# Altium PCB BGA_faser.PcbDoc (part 2 of 3) (continued)
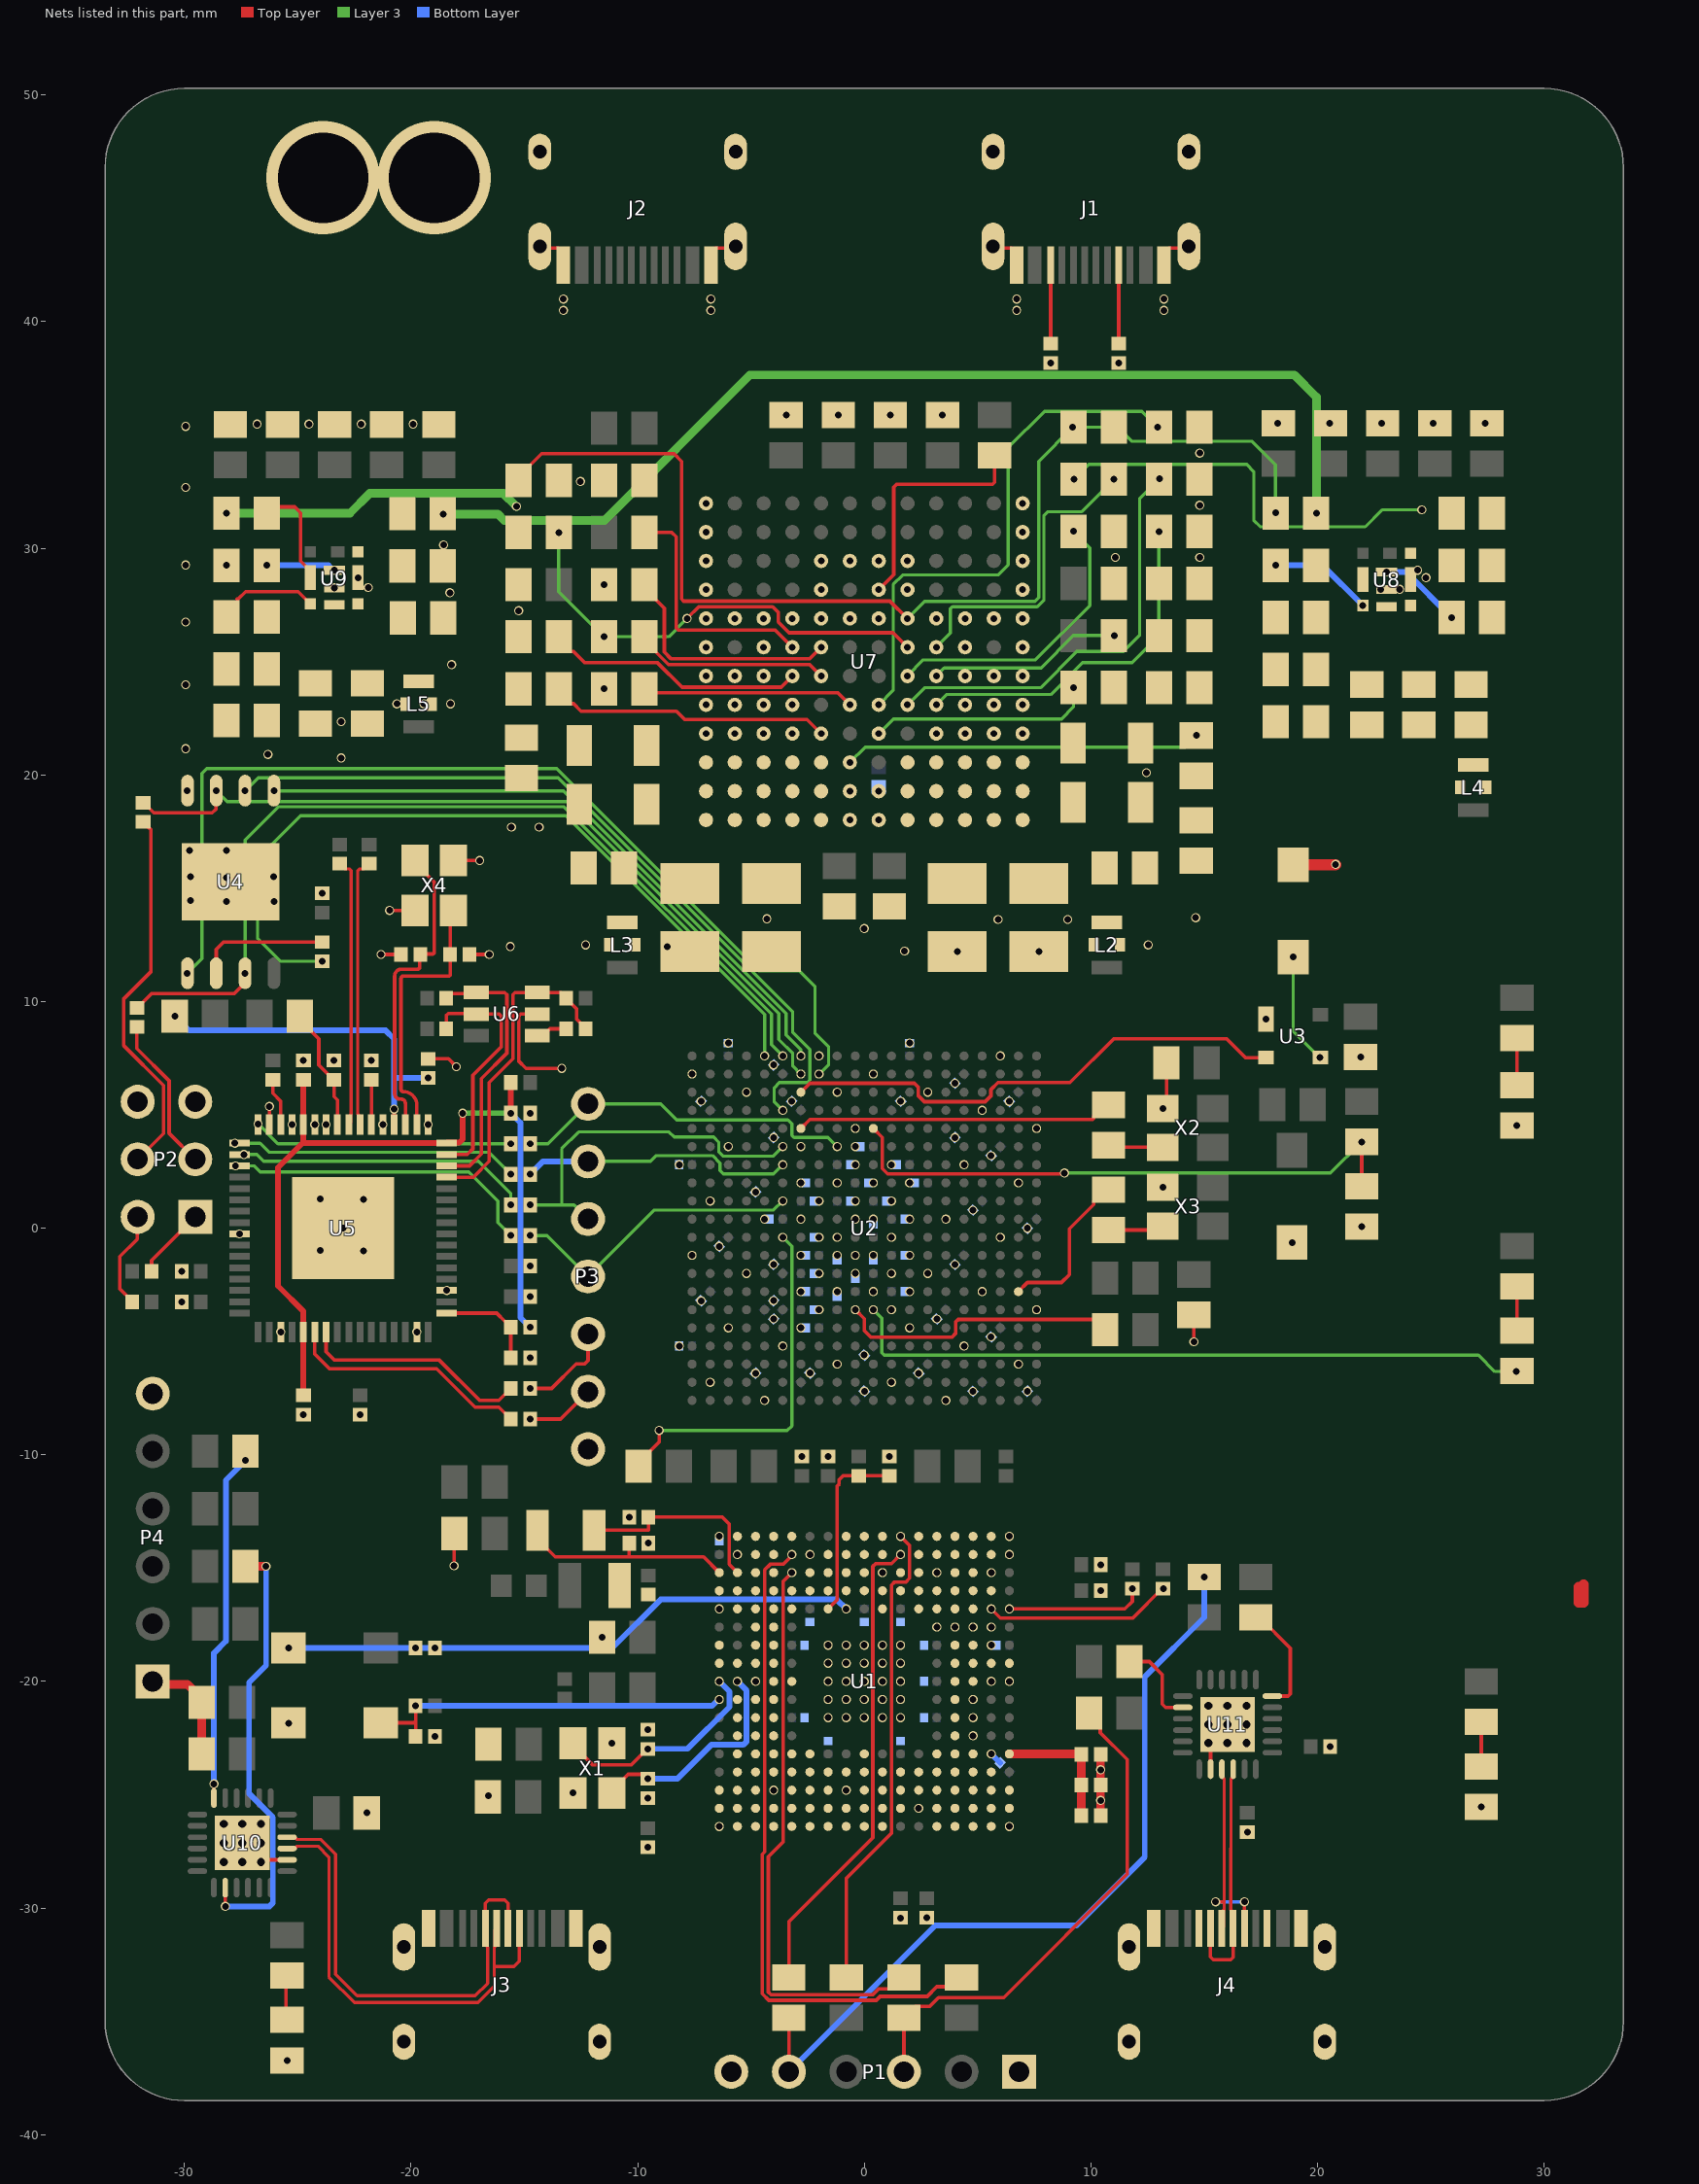
[diagram p6: the nets of this part, all layers, seen from the top]
## Nets (pads, with @x,y where several pads share a name; then routed paths per layer and width w, separated by ;. In a path a pad name is that pad's centre, name@x,y a point inside that pad or via, vN(x,y) a via of type N, cw(c..) or ccw(c..) an arc to the next point about the centre after c; other vN are vias at no path point) (continued)
DIFFN: R73.1 U7.E9 | length 15.7
  Layer 3 w0.142: v1(3.175,23.095) 3.63,23.55 8.225,23.55 9.625,24.95 11.825,24.95 13,26.125 v1(13,30.725)
DIFFO: R71.2 U7.F8 | length 12.9
  Layer 3 w0.142: v1(1.9,24.375) 2.6,25.075 7.55,25.075 9.95,27.475 9.95,30.025 v1(9.225,30.75)
DIFFP: R70.1 U7.E8 | length 18.8
  Layer 3 w0.142: v1(1.905,23.095) 2.66,23.85 7.775,23.85 9.375,25.45 11.425,25.45 12.15,26.175 12.15,32.2 v1(13.025,33.075)
DONE: D1.K U2.R11 | length 30.4
  Layer 3 w0.142: v1(0.4,-3.6) 0.775,-3.975 0.775,-5.5 0.875,-5.6 27.1,-5.6 27.825,-6.325 v1(28.775,-6.325)
EEPROM_CLK: R39.1 U5.62 U6.4 | length 12.1
  Top Layer w0.156: R39.1@-18.45,10.15 -18.25,10.35 -17.175,10.35 U6.4@-17.125,10.4 -15.867,10.4 -15.775,10.308 -15.775,7.725 -16.9,6.6 -16.9,3.275 -17.425,2.75 U5.62@-18.425,2.75
EEPROM_CS: R35.1 U5.63 U6.5 | length 10.7
  Top Layer w0.156: R35.1@-18.45,8.8 -18.45,9.383 -18.358,9.475 -17.15,9.475 U6.5@-17.125,9.45 -16.112,9.45 -16.02,9.358 -16.02,8.005 -17.275,6.75 -17.275,3.5 -17.525,3.25 U5.63@-18.425,3.25
EEPROM_DATA: R44.1 R46.1 U5.61 U6.3 | length 14.2
  Top Layer w0.156: U5.61@-18.425,2.25 -17.25,2.25 -16.55,2.95 -16.55,6.425 -15.5,7.475 -15.5,10.308 -15.408,10.4 U6.3@-14.425,10.4 -13.375,10.4 -13.15,10.175 R44.1@-13.15,10.15 -13.15,10.125 -12.7,9.675 -12.7,9.225 -12.3,8.825 R46.1@-12.3,8.8
EXTVCC: R54.2 U7.J7 | length 10.5
  Top Layer w0.156: v1(0.635,28.175) 1.3,28.84 1.3,32.7 1.425,32.825 5.658,32.825 5.75,32.917 R54.2@5.75,34.11
FB_1V0: R58.2 U7.D7 | length 9.9
  Layer 3 w0.142: v1(0.635,21.825) 1.285,22.475 8.71,22.475 9.231,22.996 v1(9.231,23.862)
FB_1V8: R68.2 U7.D5 | length 12.5
  Top Layer w0.156: R68.2@-13.485,23.8 -13.485,23.645 -12.983,23.143 -12.828,23.143 -12.502,22.817 -8.292,22.817 -7.925,22.45 -2.53,22.45 v1(-1.905,21.825)
FSET: R78.2 U7.C6 | length 15.8
  Layer 3 w0.142: v1(-0.635,20.555) 0.035,21.225 14.135,21.225 v1(14.65,21.74)
FT_1V8: C96.2 C97.2 C98.2 R33.1 R34.1 U5.12 U5.37 U5.64 | length 36.4
  Top Layer w0.254: C98.2@-24.75,-7.375 U5.37@-24.75,-4.575 -24.75,-3.675 -25.875,-2.55 -25.875,2.675 -24.75,3.8 ; C96.2@-24.75,6.55 U5.12@-24.75,4.575 -24.75,3.8 ; v1(-17.725,5.075) -17.725,3.925 -17.877,3.773 -18.402,3.773 U5.64@-18.425,3.75 -24.7,3.75 -24.75,3.8 ; v1(-15.6,5.075) R33.1@-15.6,6.425
  Layer 3 w0.254: v1(-17.725,5.075) v1(-15.6,5.075)
  Bottom Layer w0.254: v1(-15.6,5.075) -15.176,4.651 -15.176,-3.949 v1(-14.75,-4.375)
GND: 22.2 C1.1 C2.1 C3.1 C4.1 C5.1 C6.1 C7.1 C8.1 C9.1 C10.1 C11.1 C12.1 C13.1 C14.1 C15.2 C16.2 C17.1 C18.1 C21.2 C22.2 C23.2 C24.1 C25.1 C26.1 C28.2 C29.2 C30.1 C31.1 C32.1 C33.1 C34.1 C35.1 C36.1 C37.1 C38.1 C39.1 C40.1 C41.1 C42.1 C43.1 C44.1 C45.1 C46.1 C47.1 C48.1 C49.1 C50.1 C51.1 C52.1 C53.1 C54.1 C55.1 C56.1 C57.1 C58.1 C59.1 C60.1 C61.1 C62.1 C63.1 C64.1 C65.1 C66.1 C67.1 C68.1 C69.1 C70.1 C71.1 C72.1 C73.1 C74.1 C75.1 C76.1 C77.1 C78.1 C79.1 C80.1 C81.1 C82.1 C83.1 C84.1 C85.1 C86.1 C87.1 C88.1 C89.1 C90.1 C91.1 C92.1 C93.1 C94.2 C95.2 C96.1 C97.1 C98.1 C99.1 C100.1 C101.1 C102.2 C103.1 C104.1 C105.1 C106.1 C107.1 C108.1 C109.2 C110.2 C111.2 C112.1 C113.1 C114.2 C115.2 C116.1 C117.1 C118.1 C119.1 C120.1 C121.1 C122.1 C123.1 C124.1 C125.1 C126.1 C127.1 C128.1 C129.1 C130.1 C131.1 C132.1 C133.1 C134.1 C135.1 C136.1 C137.1 C139.1 C140.1 D3.K D4.K FB1.2 FB4.2 J1.0 J1.1 J1.12 J2.0 J2.1 J2.12 J3.0 J3.1 J3.12 J4.0 J4.1 J4.12 L2.2 L3.2 L4.2 L5.2 P1.1 P1.6 P2.5 P2.6 P3.1 P4.1 P4.6 R2.1 R6.2 R7.2 R13.1 R17.1 R19.1 R24.1 R43.1 R47.1 R52.1 R55.2 R61.1 R64.1 R66.2 R67.1 R69.1 R70.2 R71.1 R72.2 R73.2 R74.1 R75.1 R76.2 R81.1 R84.2 R87.2 R90.2 S1.1 S3.1 S4.1 U1.A1 U1.A17 U1.B2 U1.B6 U1.C10 U1.C13 U1.C16 U1.G7 U1.G8 U1.G9 U1.G10 U1.G11 U1.G16 U1.H7 U1.H8 U1.H9 U1.H10 U1.H11 U1.J3 U1.J7 U1.J8 U1.J9 U1.J10 U1.J11 U1.J16 U1.J17 U1.K7 U1.K8 U1.K9 U1.K10 U1.K11 U1.K15 U1.L7 U1.L8 U1.L9 U1.L10 U1.L11 U1.L15 U1.M15 U1.N16 U1.R4 U1.R8 U1.T12 U1.U1 U1.U17 U2.A8 U2.A18 U2.B1 U2.B11 U2.C4 U2.C9 U2.C14 U2.D17 U2.E10 U2.E20 U2.F3 U2.F7 U2.F10 U2.G10 U2.G12 U2.G16 U2.H7 U2.H9 U2.H11 U2.H13 U2.H19 U2.J2 U2.J8 U2.J10 U2.J12 U2.K5 U2.K7 U2.K10 U2.K11 U2.K13 U2.K15 U2.L8 U2.L9 U2.L12 U2.L18 U2.M1 U2.M7 U2.M9 U2.M10 U2.M11 U2.M13 U2.N4 U2.N8 U2.N10 U2.N12 U2.N14 U2.P7 U2.P9 U2.P11 U2.P13 U2.P17 U2.R8 U2.R12 U2.R20 U2.T3 U2.T7 U2.T13 U2.U6 U2.U16 U2.V9 U2.V19 U2.W2 U2.W12 U2.Y5 U2.Y15 U3.1 U4.4 U4.9 U5.1 U5.5 U5.10 U5.11 U5.13 U5.15 U5.25 U5.35 U5.47 U5.51 U5.65 U6.2 U7.A6 U7.A7 U7.B6 U7.B7 U7.D1 U7.D2 U7.D3 U7.D4 U7.D9 U7.D10 U7.D11 U7.D12 U7.E1 U7.E2 U7.E3 U7.E4 U7.E10 U7.E11 U7.E12 U7.F1 U7.F2 U7.F3 U7.F10 U7.F11 U7.F12 U7.G1 U7.G3 U7.G10 U7.G12 U7.H1 U7.H2 U7.H3 U7.H4 U7.H5 U7.H6 U7.H7 U7.H9 U7.H10 U7.H11 U7.H12 U7.J1 U7.J5 U7.J8 U7.J12 U7.K1 U7.K5 U7.K6 U7.K7 U7.K8 U7.K12 U7.L1 U7.L12 U7.M1 U7.M12 U8.6 U8.10 U9.6 U9.10 U10.0 U10.2 U11.0 U11.2 X1.2 X1.4 X2.2 X3.2 X4.2 X4.4 | length 36.8
  Top Layer w0.156: U10.0@-26.627,-27.969 -26.532,-27.969 -26.438,-27.875 U10.2@-25.474,-27.875 ; U5.15@-26.25,4.575 v1(-26.25,5.375) ; v1(-21.325,12.075) C101.1@-20.45,12.075 ; v1(-20.95,14.025) X4.4@-19.825,14.025 ; C94.2@-19.25,7.475 -18.35,7.475 v1(-18,7.125) ; X4.2@-18.123,16.225 v1(-16.975,16.225) ; v1(-18.1,-14.9) -18.1,-13.485 R19.1@-18.09,-13.475 ; C100.1@-17.425,12.075 v1(-16.55,12.075) ; U6.2@-14.425,9.45 -15.163,9.45 -15.255,9.358 -15.255,7.38 -14.927,7.052 v1(-13.35,7.052) ; J2.0@-14.32,43.32 -14.242,43.242 -13.497,43.242 -13.275,43.02 J2.12@-13.275,42.5 ; J2.1@-6.775,42.5 -6.775,43.02 -6.553,43.242 -5.758,43.242 J2.0@-5.68,43.32 ; J1.0@5.68,43.32 5.758,43.242 6.503,43.242 6.725,43.02 J1.12@6.725,42.5 ; v1(13.175,5.275) 13.335,5.435 C31.1@13.335,7.3 ; J1.1@13.225,42.5 13.225,43.02 13.447,43.242 14.242,43.242 J1.0@14.32,43.32 ; v1(14.543,-5.018) C88.1@14.543,-3.824 ; U11.0@15.187,-22.72 15.187,-22.816 15.28,-22.909 U11.2@15.28,-23.874 ; v1@20.785,16.035 v1(20.8,16.05)
  Top Layer w0.381: P4.1@-31.4,-20 -31.27,-20.13 -29.88,-20.13 -29.24,-20.77 C137.1@-29.24,-20.925 C135.1@-29.24,-23.2 ; C26.1@10.425,-25.925 C25.1@10.425,-24.575 C24.1@10.425,-23.225
  Top Layer w0.45: 31.525,-15.825 31.525,-16.525 31.75,-16.525 31.75,-15.725
  Top Layer w0.508: S3.1@18.925,16.035 v1@20.785,16.035
  Bottom Layer w0.254: v1(5.6,-23.2) C13.1@5.997,-23.597
  other v1: -25.475,-36.725 1.6,-30.45 2.75,-30.425 -9.55,-27.325 16.9,-26.65 -6.4,-26.4 6.4,-26.4 -21.95,-25.8 2.4,-25.6 27.225,-25.54 10.425,-25.25 -9.55,-25.15 -16.59,-25.05 -12.85,-24.925 -4,-24.8 -0.8,-24.8 10.425,-23.9 20.55,-22.875 -11.148,-22.725 -18.95,-22.425 4.8,-22.4 -9.55,-22.125 -25.4,-21.85 -1.6,-21.6 -0.8,-21.6 0,-21.6 0.8,-21.6 1.6,-21.6 4.8,-21.6 -1.6,-20.8 -0.8,-20.8 0,-20.8 0.8,-20.8 1.6,-20.8 4.8,-20.8 -4.8,-20 -1.6,-20 -0.8,-20 0,-20 0.8,-20 1.6,-20 5.6,-20 6.4,-20 -1.6,-19.2 -0.8,-19.2 0,-19.2 0.8,-19.2 1.6,-19.2 -18.95,-18.525 -1.6,-18.4 -0.8,-18.4 0,-18.4 0.8,-18.4 1.6,-18.4 5.6,-18.4 -11.565,-18.05 10.425,-16 0.8,-15.2 3.2,-15.2 5.6,-15.2 10.425,-14.85 -5.6,-14.4 -2.4,-14.4 -9.525,-13.9 -6.4,-13.6 6.4,-13.6 -10.375,-12.75 -2.75,-10.075 -1.6,-10.075 1.1,-10.075 -24.75,-8.225 -22.25,-8.225 -4.4,-7.6 3.6,-7.6 4.797,-7.203 0.003,-7.197 7.197,-7.197 -6.8,-6.8 1.2,-6.8 -4.797,-6.403 -2.397,-6.397 2.397,-6.403 -1.2,-6 6.8,-6 -14.75,-5.725 -0.003,-5.603 -8.17,-5.2 -3.6,-5.2 4.4,-5.2 5.597,-4.803 -25.75,-4.575 -19.75,-4.575 -6,-4.4 -2.8,-4.4 2,-4.4 -3.997,-4.003 3.197,-4.003 -2,-3.6 1.2,-3.6 7.6,-3.6 -30.125,-3.25 -7.203,-3.203 -4.003,-3.197 -14.75,-3.025 -2.8,-2.8 -1.2,-2.8 0.4,-2.8 2,-2.8 5.2,-2.8 -18.425,-2.75 -5.2,-2 -2,-2 -0.4,-2 1.2,-2 2.8,-2 -30.125,-1.9 -14.75,-1.675 -4.003,-1.597 3.997,-1.603 -7.6,-1.2 -2.8,-1.2 -1.2,-1.2 -0.4,-1.2 0.4,-1.2 2,-1.2 -22.1,-1 -24,-0.975 -6.403,-0.803 18.875,-0.635 -2,-0.4 -1.2,-0.4 1.2,-0.4 6,-0.4 -27.575,-0.25 -23,0 7.197,-0.003 21.95,0.06 -4.4,0.4 -2.8,0.4 -0.4,0.4 0.4,0.4 2,0.4 3.6,0.4 4.797,0.797 -6.8,1.2 -2,1.2 -0.4,1.2 1.2,1.2 -22.1,1.275 -24,1.3 -4.797,1.597 13.175,1.8 -2.8,2 -1.2,2 0.4,2 2,2 6.8,2 -8.17,2.8 -0.4,2.8 1.2,2.8 4.4,2.8 5.597,3.197 -6,3.6 -2.8,3.6 -0.4,3.6 -4,4 4.003,3.997 -0.4,4.4 7.6,4.4 28.8,4.535 -25.25,4.575 -24.25,4.575 -23.75,4.575 -21.25,4.575 -19.25,4.575 -14.75,5.075 5.2,5.2 6.397,5.597 -7.203,5.603 -3.203,5.603 1.603,5.603 -5.2,6 -1.2,6 2.8,6 3.997,6.397 -7.6,6.8 0.4,6.8 -4.003,7.203 -24.75,7.4 -23.4,7.4 -21.75,7.4 21.9,7.56 -2,7.6 6,7.6 -6,8.17 2,8.17 17.725,9.225 4.1,12.2 7.7,12.2 1.775,12.225 -15.625,12.425 -8.7,12.425 -12.3,12.5 12.525,12.5 0,13.225 5.9,13.625 8.975,13.625 -4.3,13.65 14.625,13.7 -28.15,14.425 -26.047,14.424 -29.725,14.45 -23.925,14.775 -28.15,15.475 -29.725,15.5 -26.075,15.5 -29.775,16.675 -28.15,16.675 -15.575,17.7 -14.35,17.7 -0.635,18.015 0.635,18.015 -0.635,19.285 0.635,19.285 -29.875,19.3 12.45,20.1 -23.089,20.752 -26.314,20.904 -29.947,21.158 -6.985,21.825 -5.715,21.825 -4.445,21.825 -3.175,21.825 3.175,21.825 4.445,21.825 5.715,21.825 6.985,21.825 -23.089,22.352 -6.985,23.095 -5.715,23.095 -4.445,23.095 -3.175,23.095 4.445,23.095 5.715,23.095 6.985,23.095 -20.625,23.139 -19.431,23.139 -18.263,23.139 -11.49,23.8 -29.947,23.981 -6.985,24.365 -5.715,24.365 -4.445,24.365 4.445,24.365 5.715,24.365 6.985,24.365 -18.212,24.867 -6.985,25.635 -4.445,25.635 4.445,25.635 6.985,25.635 -29.947,26.746 -6.985,26.905 -5.715,26.905 -4.445,26.905 -3.175,26.905 -1.905,26.905 -0.635,26.905 0.635,26.905 3.175,26.905 4.445,26.905 5.715,26.905 6.985,26.905 -15.25,27.25 -18.288,28.042 -6.985,28.175 -1.905,28.175 1.905,28.175 6.985,28.175 22.784,28.194 23.622,28.194 -23.393,28.257 -21.895,28.27 -11.49,28.4 -22.343,28.702 24.79,28.702 24.413,29.035 -29.947,29.261 -28.14,29.25 -6.985,29.445 -1.905,29.445 -0.635,29.445 0.635,29.445 1.905,29.445 6.985,29.445 11.075,29.6 14.8,29.6 -18.567,30.15 -6.985,30.715 6.985,30.715 14.8,31.9 -6.985,31.985 6.985,31.985 -29.947,32.69 -12.525,32.95 14.8,34.2 -29.947,35.382 -26.797,35.484 -24.511,35.484 -22.2,35.484 -19.914,35.484 18.25,35.525 20.537,35.525 22.825,35.525 25.112,35.525 27.4,35.525 -3.45,35.89 -1.15,35.89 1.15,35.89 3.45,35.89 8.225,38.175 11.225,38.175 -13.275,40.5 -6.775,40.5 6.725,40.5 13.225,40.5 -13.275,41 -6.775,41 6.725,41 13.225,41
  other v2: -27.447,-27.969 -28.268,-27.13 -26.627,-27.13 -27.447,-26.292 16.025,-22.72 15.187,-21.9 16.863,-21.9 16.025,-21.08
  other v4: -23.882,46.35 -18.975,46.35
INIT_B: R21.2 U2.R10 | length 12.6
  Top Layer w0.156: v1(-0.4,-3.6) 0,-4 0,-4.519 0.287,-4.806 3.869,-4.806 4.025,-4.65 4.025,-4.15 4.15,-4.025 10.185,-4.025 R21.2@10.635,-4.475
INTVCC: C116.2 R53.2 R62.2 R77.2 R86.2 U7.H8 | length 64.1
  Top Layer w0.156: R53.2@-15.265,30.7 R53.2@-15.265,30.855 ; C116.2@-15.265,32.845 C116.2@-15.265,33 -15.265,33.155 -14.245,34.175 -8.4,34.175 -8.059,33.834 -8.059,27.762 -7.968,27.67 1.13,27.67 1.895,26.905 v1(1.905,26.905)
  Layer 3 w0.142: v1(1.905,26.905) 2.656,27.656 7.529,27.656 7.694,27.821 7.694,33.844 v1(9.2,35.35) 11.172,35.35 11.797,34.725 17.1,34.725 18.15,33.675 v1(18.15,31.575)
  Layer 3 w0.381: v1(-28.14,31.55) -22.7,31.55 -21.825,32.425 -15.925,32.425 v1(-15.35,31.85)
JTAG_RXD: P3.3 R48.2 | length 4.2
  Top Layer w0.156: v1(-14.75,-7.075) -13.8,-7.075 -12.712,-5.988 -12.338,-5.988 -12.192,-5.842 P3.3@-12.192,-4.674
JTAG_TCK: P3.7 R40.2 U2.F9 | length 15.4
  Layer 3 w0.142: v1(-14.75,3.725) -13.953,3.725 P3.7@-12.192,5.486 -8.986,5.486 -8.275,4.775 -3.375,4.775 -3.2,4.6 -3.2,4.1 -3.1,4 -1.6,4 v1(-1.2,3.6)
JTAG_TDI: P3.6 R38.2 U2.G6 | length 12.2
  Layer 3 w0.142: P3.6@-12.192,2.946 -9.429,2.946 -9.175,3.2 -6.7,3.2 -6.375,2.875 -6.375,2.55 -6.225,2.4 -4,2.4 v1(-3.6,2.8)
  Bottom Layer w0.254: v1(-14.75,2.375) -14.179,2.946 P3.6@-12.192,2.946
JTAG_TDO: P3.5 R37.2 U2.F6 | length 16.2
  Layer 3 w0.142: v1(-14.75,1.025) -13.35,1.025 ; P3.5@-12.192,0.406 -12.811,1.025 -13.35,1.025 ; v1(-3.6,3.6) -4.025,3.175 -6.225,3.175 -6.425,3.375 -6.425,3.8 -6.65,4.025 -8.394,4.025 -8.619,4.25 -12.6,4.25 -13.35,3.5 -13.35,1.025
JTAG_TMS: P3.4 R36.2 U2.J6 | length 13.3
  Layer 3 w0.142: v1(-14.75,-0.325) -14.001,-0.325 P3.4@-12.192,-2.134 -9.258,0.8 -4,0.8 v1(-3.6,1.2)
JTAG_TXD: P3.2 R49.2 | length 3.3
  Top Layer w0.156: R49.2@-14.611,-8.564 v1(-14.75,-8.425) -13.403,-8.425 P3.2@-12.192,-7.214
LX: C19.2 L1.1 U1.E1
  other v1: -6.4,-16.8
MODE: R66.1 U7.F4 | length 11.5
  Top Layer w0.156: R66.1@-13.485,26.1 -13.485,25.945 -12.983,25.443 -12.828,25.443 -12.335,24.95 -9.125,24.95 -8.045,23.87 -3.67,23.87 v1(-3.175,24.365)
NetC24_2: C24.2 C25.2 C26.2 U1.N17 | length 5.9
  Top Layer w0.156: C24.2@9.55,-23.2 C24.2@9.575,-23.225
  Top Layer w0.381: U1.N17@6.4,-23.2 C24.2@9.55,-23.2 ; C26.2@9.575,-25.925 C25.2@9.575,-24.575 C24.2@9.575,-23.225
NetC94_1: C94.1 FB6.1 U5.4 | length 15.3
  Top Layer w0.156: U5.4@-20.75,4.575 v1(-20.75,5.25)
  Bottom Layer w0.254: v1(-30.43,9.35) -29.805,8.725 -21.125,8.725 -20.75,8.35 v1(-20.75,5.25) ; -20.65,6.625 v1(-19.25,6.625)
NetC95_1: C95.1 FB7.1 U5.9 | length 5.5
  Top Layer w0.156: FB7.1@-24.91,9.35 -24.91,9.195 -24.075,8.36 -24.075,7.2 -23.425,6.55 C95.1@-23.4,6.55 -23.4,5.8 -23.25,5.65 U5.9@-23.25,4.575
NetC99_2: C99.2 R34.2 U5.49 | length 4.4
  Top Layer w0.156: U5.49@-18.425,-3.75 -16.225,-3.75 -15.847,-4.128 -15.822,-4.128 -15.6,-4.35 R34.2@-15.6,-4.375 C99.2@-15.6,-5.725
NetC130_2: C130.2 C131.2 L5.1 R88.2 U9.4 U9.5
NetD1_A: D1.A R27.1 | length 2
  Top Layer w0.156: D1.A@28.8,-4.52 R27.1@28.8,-2.565
NetD2_K: D2.K R47.2 | length 2.1
  Top Layer w0.156: R47.2@28.8,6.315 D2.K@28.8,8.385
NetD3_A: D3.A R102.1 | length 2
  Top Layer w0.156: D3.A@-25.525,-34.935 R102.1@-25.525,-32.975
NetD4_A: D4.A R103.1 | length 2
  Top Layer w0.156: D4.A@27.225,-23.76 R103.1@27.225,-21.79
NetP2_1: P2.1 R29.2 | length 3.2
  Top Layer w0.156: R29.2@-31.45,-1.9 -31.45,-1.425 P2.1@-29.525,0.5
NetP2_2: P2.2 R30.1 | length 4.3
  Top Layer w0.156: R30.1@-32.3,-3.25 -32.3,-3.225 -32.85,-2.675 -32.85,-1.249 -32.085,-0.485 -32.085,0.48 P2.2@-32.065,0.5
NetP2_3: P2.3 R31.2 | length 6.9
  Top Layer w0.156: R31.2@-32.1,8.875 -32.1,7.925 -30.675,6.5 -30.675,4.19 P2.3@-29.525,3.04
NetP2_4: P2.4 R32.1 | length 16.7
  Top Layer w0.156: P2.4@-32.065,3.04 -30.925,4.18 -30.925,6.3 -32.675,8.05 -32.675,10.125 -31.475,11.325 -31.475,17.575 -31.578,17.678 -31.578,17.703 -31.8,17.925 R32.1@-31.825,17.925
NetR20_1: R20.1 U2.A5 | length 35.4
  Layer 3 w0.142: v1(-23.925,11.775) -25.75,11.775 -26.775,12.8 -26.775,16.3 -24.875,18.2 -13.177,18.2 -4.4,9.423 v1(-4.4,7.6)
NetR23_1: R23.1 R24.2 U2.E11 | length 25.7
  Top Layer w0.156: U2.E11@0.4,4.4 0.799,4.001 0.799,2.626 1.034,2.391 8.791,2.391 v1(8.833,2.433) ; R24.2@21.95,1.84 v1(21.95,3.81)
  Layer 3 w0.142: v1(8.833,2.433) 20.573,2.433 v1(21.95,3.81)
NetR25_1: R25.1 X2.3 | length 2.4
  Top Layer w0.156: R25.1@10.775,3.66 10.862,3.573 X2.3@13.175,3.573
NetR28_1: R28.1 X3.3 | length 2.5
  Top Layer w0.156: R28.1@10.775,-0.08 12.997,-0.08 X3.3@13.175,0.098
NetR36_1: R36.1 U5.19 | length 14
  Layer 3 w0.142: v1(-27.75,2.75) -26.925,2.75 -26.65,2.475 -17.45,2.475 -16.175,1.2 -16.175,0.25 v1(-15.6,-0.325)
NetR37_1: R37.1 U5.18 | length 13
  Layer 3 w0.142: v1(-27.375,3.25) -26.8,3.25 -26.5,2.95 -17.025,2.95 -15.6,1.525 v1(-15.6,1.025)
NetR38_1: R38.1 U5.17 | length 12.7
  Layer 3 w0.142: v1(-27.775,3.75) -26.665,3.75 -26.265,3.35 -16.575,3.35 v1(-15.6,2.375)
NetR40_1: R40.1 U5.16 | length 11.5
  Layer 3 w0.142: v1(-26.75,4.6) -25.875,3.725 v1(-15.6,3.725)
NetR43_2: R43.2 U5.6 | length 2
  Top Layer w0.156: U5.6@-21.75,4.575 R43.2@-21.75,6.55
NetR45_2: R45.2 U5.14 | length 2.1
  Top Layer w0.156: R45.2@-26.1,6.55 -26.1,5.95 -25.75,5.6 U5.14@-25.75,4.575
NetR46_2: R46.2 U6.1 | length 1.4
  Top Layer w0.156: U6.1@-14.425,8.5 -14.175,8.5 -13.875,8.8 R46.2@-13.15,8.8
NetR48_1: R48.1 U5.39 | length 10.1
  Top Layer w0.156: U5.39@-23.75,-4.575 -23.75,-5.45 -23.375,-5.825 -18.75,-5.825 -16.975,-7.6 -16.125,-7.6 -15.847,-7.322 -15.822,-7.322 -15.6,-7.1 R48.1@-15.6,-7.075
NetR49_1: R49.1 U5.38 | length 10.8
  Top Layer w0.156: U5.38@-24.25,-4.575 -24.25,-5.55 -23.6,-6.2 -18.875,-6.2 -17.175,-7.9 -16.125,-7.9 -15.847,-8.178 -15.822,-8.178 -15.6,-8.4 R49.1@-15.6,-8.425
NetR55_1: R55.1 R56.1
NetR56_2: R56.2 R57.1
NetR57_2: R57.2 R58.1
NetR67_2: R67.2 R68.1
NetR76_1: R76.1 U8.9 | length 3.7
  Bottom Layer w0.254: v1(23.05,28.955) 23.905,28.955 v1(25.91,26.95)
NetR78_1: R78.1 R81.2
NetR79_1: R79.1 R80.1 U8.3 | length 4.6
  Bottom Layer w0.254: v1(18.145,29.25) 20.225,29.25 v1(22,27.475)
NetR80_2: R80.2 R82.1
NetR82_2: R82.2 R83.2
NetR83_1: R83.1 R84.1
NetR87_1: R87.1 U9.9 | length 3.1
  Bottom Layer w0.254: v1(-26.36,29.25) -23.651,29.25 -23.433,29.031 v1(-23.393,29.031)
NetR88_1: R88.1 R89.1 U9.3 | length 3.6
  Top Layer w0.156: -27.686,27.762 -27.634,27.762 -27.304,28.092 -24.984,28.092 U9.3@-24.443,27.551
NetR89_2: R89.2 R90.1
NetS3_2: S3.2 U3.3 | length 4.9
  Layer 3 w0.142: v1(18.925,11.965) 18.925,8.7 v1(20.1,7.525)
NRST: C14.2 R1.1 S1.2 U1.K1 | length 16.4
  Top Layer w0.156: S1.2@-21.34,-21.825 -19.875,-21.825 -19.8,-21.75 ; C14.2@-19.8,-22.425 -19.8,-21.75 ; v1(-19.8,-21.075) -19.8,-21.75
  Bottom Layer w0.254: v1(-19.8,-21.075) -6.715,-21.075 -6.44,-20.8 v1(-6.4,-20.8)
OSCI: C100.2 U5.2 X4.1 | length 12
  Top Layer w0.156: U5.2@-19.75,4.575 -19.75,5.438 ccw(c-20.337,5.438) -20.337,6.025 cw(c-20.337,6.138) -20.45,6.138 -20.45,11 cw(c-20.325,11) -20.325,11.125 -18.35,11.125 ccw(c-18.35,11.2) -18.275,11.2 C100.2@-18.275,12.075 -18.275,13.873 cw(c-18.123,13.873) X4.1@-18.123,14.025
OSCO: C101.2 U5.3 X4.3 | length 13.8
  Top Layer w0.156: U5.3@-20.25,4.575 -20.25,5.5 ccw(c-20.45,5.5) -20.45,5.7 -20.5,5.7 cw(c-20.5,5.925) -20.725,5.925 -20.725,11.125 cw(c-20.425,11.125) -20.425,11.425 -19.725,11.425 ccw(c-19.725,11.525) -19.625,11.525 -19.625,12.05 cw(c-19.6,12.05) C101.2@-19.6,12.075 cw(c-19.575,12.075) -19.575,12.1 -19.05,12.1 ccw(c-19.05,12.175) -18.975,12.175 -18.975,15.275 -19.825,16.125 X4.3@-19.825,16.225
PA0: U1.N5
PA0_C: U1.T1
PA1: U1.N4
PA1_C: U1.T2
PA2: U1.N3
PA3: U1.U2
PA4: U1.U3
PA5: U1.T3
PA6: U1.R3
PA7: U1.R5
PA8: U1.E15
PA9: U1.D15
PA10: U1.D14
PA11: R4.1 U1.E17 | length 6.1
  Top Layer w0.156: v1(6.4,-16.8) 11.5,-16.8 11.825,-16.475 v1(11.825,-15.9)
PA12: R5.1 U1.E16 | length 8.3
  Top Layer w0.156: v1(5.6,-16.8) 6,-17.2 11.85,-17.2 13.15,-15.9 v1(13.2,-15.9)
PA13: U1.C15
PA14: U1.B14
PA15: U1.A14
PB0: U1.U5
PB1: U1.T5
PB2: U1.R6
PB3: U1.C6
PB4: U1.B7
PB5: U1.A5
PB6: R8.1 U1.B5 | length 29.6
  Top Layer w0.156: v1(-3.2,-14.4) -3.2,-14.45 -3.583,-14.833 -4.152,-14.833 -4.395,-15.076 -4.395,-27.52 -4.5,-27.625 -4.5,-33.788 -4.218,-34.07 0.53,-34.07 0.7,-33.9 2.775,-33.9 3.2,-33.475 3.875,-33.475 R8.1@4.29,-33.06
PB7: R10.1 U1.C5 | length 25.3
  Top Layer w0.156: v1(-3.2,-15.2) -3.575,-15.575 -3.575,-27.075 -4.232,-27.732 -4.232,-33.709 -4.116,-33.825 0.375,-33.825 0.638,-33.562 1.248,-33.562 R10.1@1.75,-33.06
PB8: U1.D5
PB9: U1.D4
PB10: U1.P11
PB11: U1.P12
PB12: U1.T14
PB13: U1.U14
PB14: U1.U15
PB15: U1.T15
PC0: U1.L2
PC1: U1.M2
PC2: U1.M3
PC2_C: U1.R1
PC3: U1.M4
PC3_C: U1.R2
PC4: U1.T4
PC5: U1.U4
PC6: U1.F14
  other v1: 4,-17.6
PC7: U1.F13
  other v1: 3.2,-17.6
PC8: U1.E13
PC9: U1.E14
PC10: U1.A13
PC11: U1.B13
PC12: U1.C12
PC13: U1.E3
PC14: C17.2 U1.C2 Y1.1 | length 9
  Top Layer w0.156: Y1.1@-11.925,-13.325 -9.525,-13.325 C17.2@-9.525,-12.75 -6.275,-12.75 -5.967,-13.058 -5.967,-14.833 U1.C2@-5.6,-15.2
PC15: C18.2 U1.C1 Y1.2 | length 9.6
  Top Layer w0.156: Y1.2@-14.425,-13.325 -14.425,-13.725 -13.642,-14.508 -10.375,-14.508 ; C18.2@-10.375,-13.9 -10.375,-14.508 ; U1.C1@-6.4,-15.2 -7.092,-14.508 -10.375,-14.508
PD0: U1.D13
PD1: U1.E12
PD2: U1.D12
PD3: U1.B12
PD4: U1.A12
PD5: R11.1 U1.A11 | length 21.1
  Top Layer w0.156: R11.1@-0.79,-33.06 -0.79,-28.69 1.2,-26.7 1.2,-15.742 1.317,-15.625 1.825,-15.625 2,-15.45 2,-14 v1(1.6,-13.6)
PD6: R12.1 U1.B11 | length 21.1
  Top Layer w0.156: R12.1@-3.33,-33.06 -3.33,-30.605 0.375,-26.9 0.375,-14.925 0.5,-14.8 1.2,-14.8 v1(1.6,-14.4)
PD7: U1.C11
PD8: U1.U16
PD9: U1.T17
PD10: U1.T16
PD11: U1.R15
PD12: U1.R16
PD13: U1.R17
PD14: U1.P16
PD15: U1.P15
PDR_ON: R9.1 R13.2 U1.E7 | length 8.2
  Top Layer w0.156: U1.E7@-1.6,-16.8 -1.2,-16.4 -1.2,-11.386 -1.108,-11.294 -1.108,-11.1 -0.933,-10.925 R9.1@-0.25,-10.925 R13.2@1.1,-10.925
PE0: U1.C4
PE1: U1.B4
PE2: U1.C3
PE3: U1.D3
PE4: U1.D2
PE5: U1.D1
PE6: U1.E5
PE7: U1.U9
PE8: U1.T9
PE9: U1.P9
PE10: U1.N9
PE11: U1.P10
PE12: U1.R10
PE13: U1.T10
PE14: U1.U10
PE15: U1.R11
PF0: U1.G4
PF1: U1.G3
PF2: U1.G1
PF3: U1.H4
PF4: U1.J5
PF5: U1.J4
PF6: U1.K2
PF7: U1.K3
PF8: U1.K4
PF9: U1.L4
PF10: U1.L3
PF11: U1.T7
PF12: U1.R7
PF13: U1.P7
PF14: U1.P8
PF15: U1.R9
PG0: U1.T8
PG1: U1.U8
PG2: U1.H16
PG3: U1.H15
PG4: U1.H14
PG5: U1.G14
PG6: U1.G15
PG7: U1.F16
  other v1: 5.6,-17.6
PG8: U1.F15
  other v1: 4.8,-17.6
PG9: U1.A10
PG10: U1.A9
PG11: U1.B9
PG12: U1.C9
PG13: U1.D9
PG14: U1.D8
PG15: U1.D6
PG_1V0: R53.1 R60.2 U7.G8 | length 21.2
  Top Layer w0.156: R60.2@-11.997,26.757 -11.992,26.757 -11.49,26.255 v1(-11.49,26.1) ; v1(-7.825,26.905) -7.305,27.425 -4.045,27.425 -3.8,27.18 -3.8,26.75 -3.325,26.275 1.265,26.275 v1(1.905,25.635)
  Layer 3 w0.142: v1(-13.485,30.7) -13.485,28.095 v1(-11.49,26.1) -8.63,26.1 v1(-7.825,26.905)
PG_1V5: R77.1 R91.2 U8.2 | length 46.8
  Layer 3 w0.381: v1(-18.588,31.513) -16.169,31.513 -15.881,31.225 -11.475,31.225 -5.05,37.65 18.975,37.65 19.95,36.675 v1(19.95,31.55)
PG_1V8: R62.1 R85.2 U7.G9 | length 13.7
  Layer 3 w0.142: v1(3.175,25.635) 3.8,26.26 3.8,27.335 3.89,27.425 7.625,27.425 7.925,27.725 7.925,31.45 8.087,31.612 9.577,31.612 v1(11.015,33.05)
PG_3V3: R86.1 U9.2 | length 4.7
  Top Layer w0.156: R86.1@-26.36,31.55 -26.084,31.826 -25.136,31.826 -24.876,31.566 -24.876,29.434 -24.443,29.002 U9.2@-24.443,28.702
PH0: C15.1 U1.J2 X1.1 | length 9.9
  Top Layer w0.156: X1.1@-11.148,-24.925 -11.148,-24.825 -10.423,-24.1 -9.75,-24.1 v1(-9.55,-24.3)
  Bottom Layer w0.254: v1(-9.55,-24.3) -8.25,-24.3 -6.75,-22.8 -5.345,-22.8 -5.196,-22.651 -5.196,-20.404 v1(-5.6,-20)
PH1: C16.1 U1.J1 X1.3 | length 9.7
  Top Layer w0.156: X1.3@-12.85,-22.725 -12.85,-22.825 -12,-23.675 -10.275,-23.675 -9.575,-22.975 v1(-9.55,-22.975)
  Bottom Layer w0.254: v1(-9.55,-22.975) -7.8,-22.975 -5.95,-21.125 -5.95,-20.45 v1(-6.4,-20)
PH2: U1.N2
PH3: U1.P2
PH4: U1.P3
PH5: U1.P4
PH6: U1.T11
PH7: U1.U13
PH8: U1.T13
PH9: U1.R13
PH10: U1.P13
PH11: U1.P14
PH12: U1.R14
PH13: U1.D16
PH14: U1.B17
  other v1: 6.4,-14.4
PH15: U1.B16
PHASMD: R65.1 R69.2 U7.G4 | length 11
  Top Layer w0.156: R65.1@-9.71,30.7 -8.5,30.7 -8.305,30.505 -8.305,26.492 -8.213,26.4 -3.94,26.4 v1(-3.175,25.635)
PI0: U1.A16
PI1: U1.A15
PI2: U1.B15
PI3: U1.C14
PI4: U1.A4
PI5: U1.A3
PI6: U1.A2
PI7: U1.B3
PI8: U1.E4
PI9: U1.E2
PI10: U1.F3
PI11: U1.F4
PI12: U1.H1
PI13: U1.H2
PI14: U1.H3
PI15: U1.P5
PJ0: U1.N6
PJ1: U1.P6
PJ2: U1.T6
PJ3: U1.U6
PJ4: U1.U7
PJ5: U1.R12
PJ6: U1.N15
PJ7: U1.N14
PJ8: U1.N13
PJ9: U1.M14
PJ10: U1.L14
PJ11: U1.K14
PJ12: U1.D11
PJ13: U1.E10
PJ14: U1.D10
PJ15: U1.B10
PK0: U1.J14
PK1: U1.J15
PK2: U1.H17
PK3: U1.C8
PK4: U1.B8
PK5: U1.A8
PK6: U1.C7
PK7: U1.D7
PLCLK: R28.2 U2.P19 | length 7.1
  Top Layer w0.156: U2.P19@6.8,-2.8 7.2,-2.4 8.7,-2.4 9.05,-2.05 9.05,-0.025 10.118,1.043 10.118,1.198 10.62,1.7 R28.2@10.775,1.7
PRE_1V0: L2.1 R50.2
PRE_1V5: C121.2 C122.2 L4.1 R79.2 U8.4 U8.5
PRE_1V8: L3.1 R59.2
PROGRAM_B: R22.2 U2.L6 | length 16.4
  Top Layer w0.156: R22.2@-9.965,-10.5 -9.965,-10.345 -9.05,-9.43 v1(-9.05,-8.925)
  Layer 3 w0.142: v1(-9.05,-8.925) -3.4,-8.925 -3.2,-8.725 -3.2,-0.8 v1(-3.6,-0.4)
PS_POR_B: U2.C7 U3.2 | length 22.9
  Top Layer w0.156: U2.C7@-2.8,6 -2.404,6.396 2.204,6.396 2.387,6.212 2.387,5.838 2.647,5.578 5.328,5.578 5.587,5.837 5.587,6.112 5.9,6.425 9.075,6.425 11.008,8.358 15.989,8.358 16.822,7.525 U3.2@17.725,7.525
PSCLK: R25.2 U2.E7 | length 14.4
  Top Layer w0.156: U2.E7@-2.8,4.4 -2.4,4.8 10.075,4.8 10.118,4.843 10.118,4.938 10.62,5.44 R25.2@10.775,5.44 ; R25.2@10.775,4.975 10.8,4.975 11.022,5.197 R25.2@11.022,5.222
QSPI_CLK: R20.2 U4.6 | length 5.9
  Top Layer w0.156: U4.6@-28.595,11.25 -28.595,12.305 -28.275,12.625 R20.2@-23.925,12.625
QSPI_CS: U2.A7 U4.1 | length 28.8
  Layer 3 w0.142: v1(-26.05,19.3) -13.275,19.3 -3.451,9.476 -3.451,8.526 -2.813,7.888 -2.813,7.613 v1(-2.8,7.6)
QSPI_DQ0: U2.B8 U4.5 | length 44.5
  Layer 3 w0.142: v1(-29.875,11.25) -29.225,11.9 -29.225,20.075 -29.025,20.275 -13.573,20.275 -4.648,11.35 -2.875,11.35 -2.175,10.65 -2.175,8.6 -1.575,8 -1.575,7.225 v1(-2,6.8)
QSPI_DQ1: U2.D6 U4.2 | length 34.9
  Layer 3 w0.142: v1(-27.325,19.3) -26.75,19.875 -13.5,19.875 -3.162,9.537 -3.162,8.637 -2.4,7.875 -2.4,6.525 -2.5,6.425 -3.75,6.425 -3.975,6.2 -3.975,5.575 v1(-3.6,5.2)
QSPI_DQ2: R32.2 U2.B7 U4.3 | length 36.3
  Top Layer w0.156: R32.2@-31.825,18.775 -31.8,18.775 -31.35,18.325 -28.778,18.325 -28.613,18.49 -28.613,19.289 U4.3@-28.595,19.307
  Layer 3 w0.142: v1(-28.6,19.3) -28.125,18.825 -13.127,18.825 -3.775,9.473 -3.775,8.325 -3.16,7.71 -3.16,7.16 v1(-2.8,6.8)
QSPI_DQ3: R31.1 U2.A6 U4.7 | length 41.2
  Top Layer w0.156: R31.1@-32.1,9.725 -32.075,9.725 -31.45,10.35 -27.805,10.35 -27.325,10.83 v1(-27.325,11.25)
  Layer 3 w0.142: v1(-27.325,11.25) -27.325,17.125 -25.856,18.594 -13.244,18.594 -4.1,9.45 -4.1,8.1 v1(-3.6,7.6)
REF: FB3.2
RUN_1V0: R51.1 U7.F9 | length 8.6
  Layer 3 w0.142: v1(3.175,24.375) 3.525,24.725 7.8,24.725 9.225,26.15 v1(11.025,26.15)
RUN_1V5: C123.2 C124.2 R85.1 U8.7 | length 18.3
  Layer 3 w0.142: v1(9.25,33.05) 9.9,33.7 16.875,33.7 17.187,33.388 17.187,31.238 17.475,30.95 22.1,30.95 22.85,31.7 v1(24.6,31.7)
RUN_1V8: R60.1 U7.F5 | length 8.6
  Top Layer w0.156: R60.1@-9.71,26.1 -9.71,25.945 -8.64,24.875 -2.415,24.875 v1(-1.905,24.365)
RUN_3V3: C132.2 C133.2 R91.1 U9.7
RX1: P1.3 R10.2 R97.1 | length 22.7
  Top Layer w0.156: P1.3@1.75,-37.225 R10.2@1.75,-34.84 2.252,-34.338 2.887,-34.338 3.275,-33.95 6.15,-33.95 11.6,-28.5 11.6,-23.45 10.412,-22.262 10.412,-21.902 R97.1@9.91,-21.4
RX2: P1.5 R12.2 R101.1 | length 35.5
  Top Layer w0.156: P1.5@-3.33,-37.225 R12.2@-3.33,-34.84
  Bottom Layer w0.254: P1.5@-3.33,-37.225 3.12,-30.775 9.35,-30.775 12.375,-27.75 12.375,-19.8 15,-17.175 v1(15,-15.385)
RXD0: R95.2 U11.20 | length 4
  Top Layer w0.156: R95.2@11.69,-19.125 12.575,-19.125 13.15,-19.7 13.15,-21.006 13.292,-21.147 U11.20@14.054,-21.147
RXD1: R99.2 U11.12 | length 4.9
  Top Layer w0.156: R99.2@17.275,-17.165 17.43,-17.165 18.8,-18.535 18.8,-20.55 18.7,-20.65 18.009,-20.65 U11.12@18.007,-20.647
RXD2: R94.2 U10.20 | length 19.5
  Top Layer w0.156: v1(-28.2,-29.925) U10.20@-28.2,-29.101 ; R94.2@-27.31,-14.92 -26.88,-14.92 R94.2@-26.875,-14.925
  Top Layer w0.381: R94.2@-26.875,-14.925 v1(-26.4,-14.925)
  Bottom Layer w0.254: v1(-28.2,-29.925) -26.249,-29.925 -26.1,-29.776 -26.1,-26 -27.15,-24.95 -27.15,-20.05 -26.4,-19.3 v1(-26.4,-14.925)
RXD3: R98.2 U10.12 | length 15.5
  Top Layer w0.156: U10.12@-28.7,-25.149 v1@-28.7,-24.475
  Bottom Layer w0.254: v1(-28.7,-24.525) -28.7,-18.75 -28.175,-18.225 -28.175,-11.125 v1(-27.3,-10.25)